# KiCad board Mu-cyberdeck-carrier.kicad_pcb (continued)
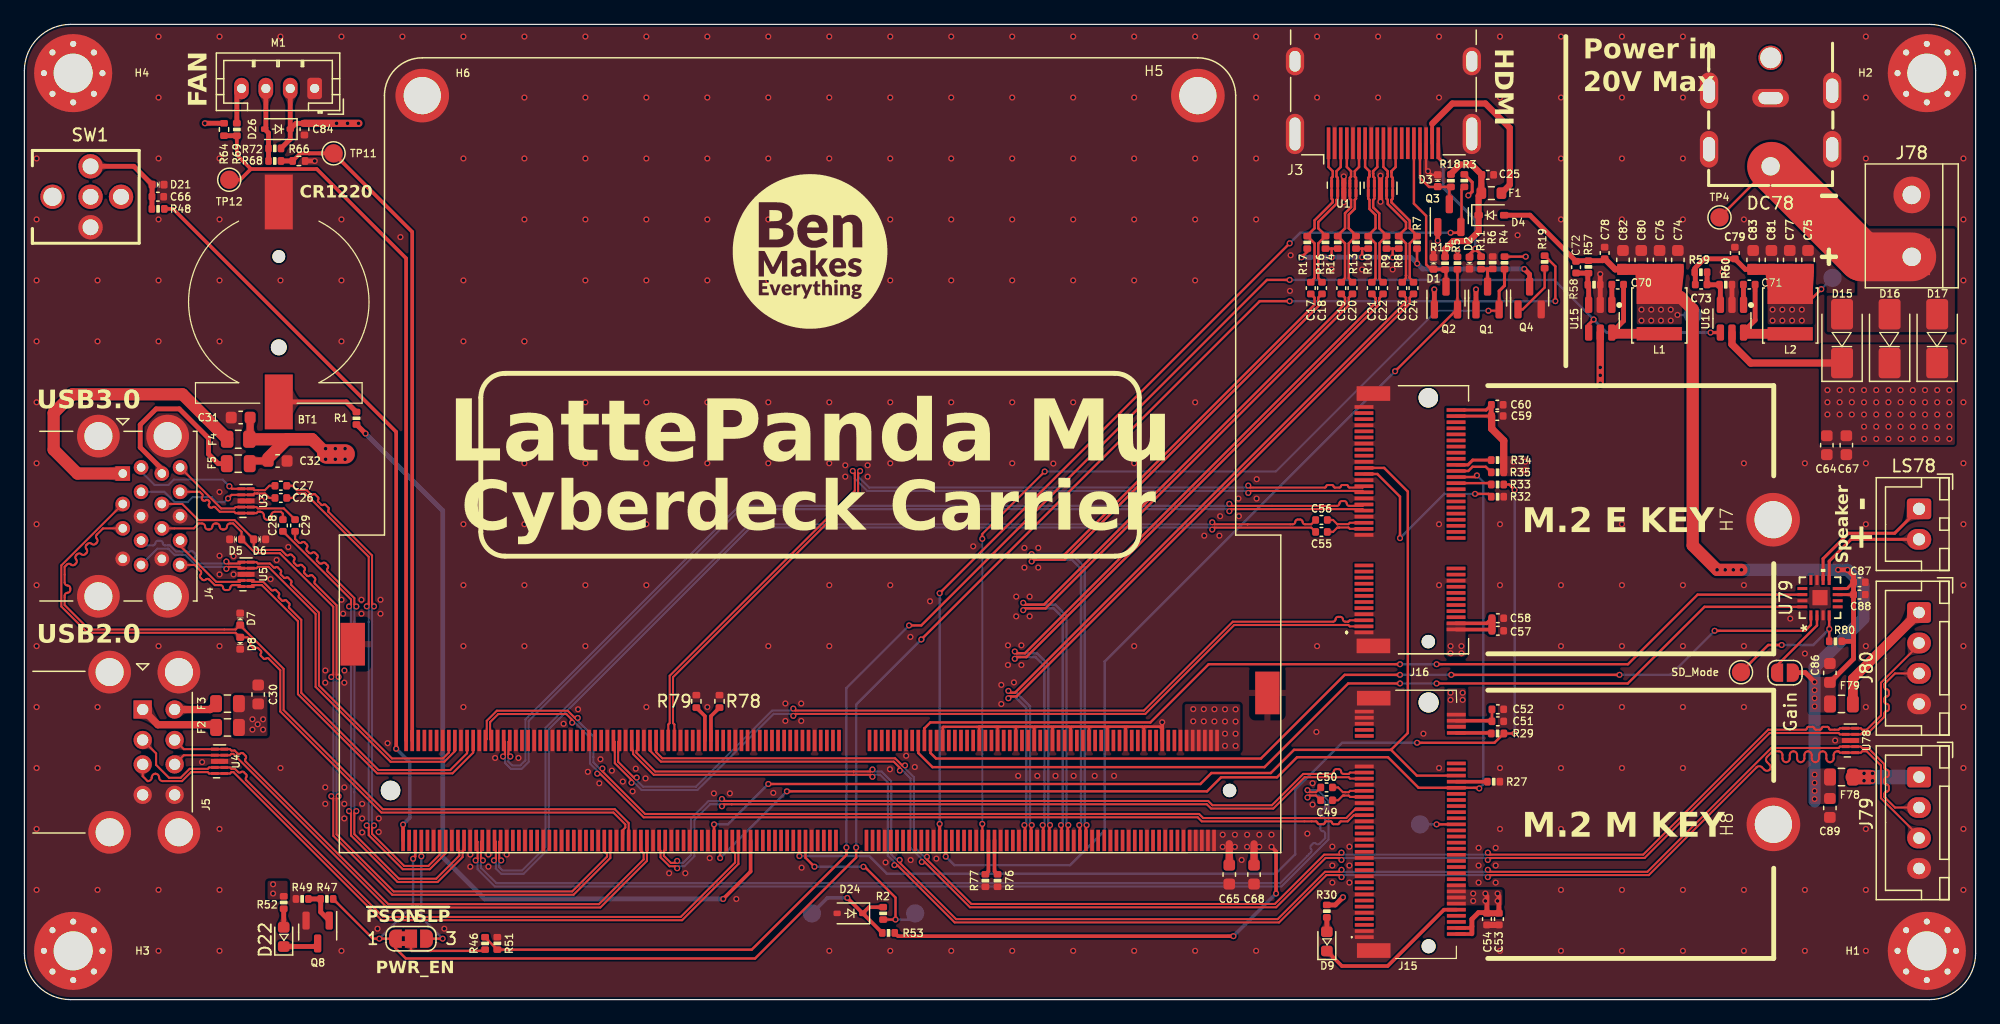
[diagram p0: board, top side]
## Footprints (pads in the part's own frame, mm; a bottom-side part is the same pattern mirrored in y, then rotated) (continued)
  rect 2x3.5 smd: MP(-37.5,-8) MP(37.5,-12)
LED_0603_1608Metric
  rrect 0.875x0.95 smd: 1(-0.788,0) 2(0.788,0)
MountingHole_3.2mm_M3_Pad_Via
  round 0.8 hole 0.5: 1(-2.4,0) 1(-1.697,1.697) 1(-1.697,-1.697) 1(0,2.4) 1(0,-2.4) 1(1.697,1.697) 1(1.697,-1.697) 1(2.4,0)
  round 6.4 hole 3.2: 1(0,0)
MountingHole_3mm_M2_Pad_TopOnly
  round 3.2 hole 3.05: 1(0,0)
  round 4.4 smd: 1(0,0)
PCIe_M.2_Connectors_P=0.5mm_H=4.2mm_KeyE
  round 1.1 hole 1.1 unplated: (-0.75,-5.275)
  round 1.6 hole 1.6 unplated: (19.25,-5.275)
  rect 0.3x1.55 smd: 1(0,0) 2(0.25,-7.55) 3(0.5,0) 4(0.75,-7.55) 5(1,0) 6(1.25,-7.55) 7(1.5,0) 8(1.75,-7.55) 9(2,0) 10(2.25,-7.55) 11(2.5,0) 12(2.75,-7.55) 13(3,0) 14(3.25,-7.55) 15(3.5,0) 16(3.75,-7.55) 17(4,0) 18(4.25,-7.55) 19(4.5,0) 20(4.75,-7.55) 21(5,0) 22(5.25,-7.55) 23(5.5,0) 32(7.75,-7.55) 33(8,0) 34(8.25,-7.55) 35(8.5,0) 36(8.75,-7.55) 37(9,0) 38(9.25,-7.55) 39(9.5,0) 40(9.75,-7.55) 41(10,0) 42(10.25,-7.55) 43(10.5,0) 44(10.75,-7.55) 45(11,0) 46(11.25,-7.55) 47(11.5,0) 48(11.75,-7.55) 49(12,0) 50(12.25,-7.55) 51(12.5,0) 52(12.75,-7.55) 53(13,0) 54(13.25,-7.55) 55(13.5,0) 56(13.75,-7.55) 57(14,0) 58(14.25,-7.55) 59(14.5,0) 60(14.75,-7.55) 61(15,0) 62(15.25,-7.55) 63(15.5,0) 64(15.75,-7.55) 65(16,0) 66(16.25,-7.55) 67(16.5,0) 68(16.75,-7.55) 69(17,0) 70(17.25,-7.55) 71(17.5,0) 72(17.75,-7.55) 73(18,0) 74(18.25,-7.55) 75(18.5,0)
  rect 1.2x2.75 smd: MP1(-1.1,-0.775) MP2(19.6,-0.775)
PCIe_M.2_Connectors_P=0.5mm_H=4.2mm_KeyM
  round 1.15 hole 1.15 unplated: (-10,-1.7)
  round 1.65 hole 1.65 unplated: (10,-1.7)
  rect 0.3x1.55 smd: 1(-9.25,3.575) 2(-9,-3.975) 3(-8.75,3.575) 4(-8.5,-3.975) 5(-8.25,3.575) 6(-8,-3.975) 7(-7.75,3.575) 8(-7.5,-3.975) 9(-7.25,3.575) 10(-7,-3.975) 11(-6.75,3.575) 12(-6.5,-3.975) 13(-6.25,3.575) 14(-6,-3.975) 15(-5.75,3.575) 16(-5.5,-3.975) 17(-5.25,3.575) 18(-5,-3.975) 19(-4.75,3.575) 20(-4.5,-3.975) 21(-4.25,3.575) 22(-4,-3.975) 23(-3.75,3.575) 24(-3.5,-3.975) 25(-3.25,3.575) 26(-3,-3.975) 27(-2.75,3.575) 28(-2.5,-3.975) 29(-2.25,3.575) 30(-2,-3.975) 31(-1.75,3.575) 32(-1.5,-3.975) 33(-1.25,3.575) 34(-1,-3.975) 35(-0.75,3.575) 36(-0.5,-3.975) 37(-0.25,3.575) 38(0,-3.975) 39(0.25,3.575) 40(0.5,-3.975) 41(0.75,3.575) 42(1,-3.975) 43(1.25,3.575) 44(1.5,-3.975) 45(1.75,3.575) 46(2,-3.975) 47(2.25,3.575) 48(2.5,-3.975) 49(2.75,3.575) 50(3,-3.975) 51(3.25,3.575) 52(3.5,-3.975) 53(3.75,3.575) 54(4,-3.975) 55(4.25,3.575) 56(4.5,-3.975) 57(4.75,3.575) 58(5,-3.975) 67(7.25,3.575) 68(7.5,-3.975) 69(7.75,3.575) 70(8,-3.975) 71(8.25,3.575) 72(8.5,-3.975) 73(8.75,3.575) 74(9,-3.975) 75(9.25,3.575)
  rect 1.2x2.75 smd: MP1(-10.35,2.8) MP2(10.35,2.8)
R_0402_1005Metric
  rrect 0.54x0.64 smd: 1(-0.51,0) 2(0.51,0)
R_0603_1608Metric
  rrect 0.8x0.95 smd: 1(-0.825,0) 2(0.825,0)
R_0805_2012Metric
  rrect 1.025x1.4 smd: 1(-0.912,0) 2(0.912,0)
SolderJumper-2_P1.3mm_Open_RoundedPad1.0x1.5mm
  custom 1x0.5 smd: 1(-0.65,0) 2(0.65,0)
SolderJumper-3_P1.3mm_Bridged2Bar12_RoundedPad1.0x1.5mm_NumberLabels
  custom 1x0.5 smd: 1(-1.3,0) 3(1.3,0)
  rect 1x1.5 smd: 2(0,0)
SOT-23
  rrect 1.475x0.6 smd: 1(-0.938,0.95) 2(-0.938,-0.95) 3(0.938,0)
SW-TH_TM-007-D1-A-03
  round 2 hole 1.5: (0,-4.37)
  round 2 hole 1.3: 1(-2.5,-1.25) 2(2.5,-1.25) 3(0,1.25) 4(0,-1.25)
TerminalBlock_bornier-2_P5.08mm
  rect 3x3 hole 1.52: 1(0,0)
  round 3 hole 1.52: 2(5.08,0)
TestPoint_Pad_D1.5mm
  round 1.5 smd: 1(0,0)
TSOT-23-6
  rrect 1.325x0.6 smd: 1(-1.137,0.95) 2(-1.137,0) 3(-1.137,-0.95) 4(1.137,-0.95) 5(1.137,0) 6(1.137,0.95)
USB3_A_Molex_48406-0001_Horizontal_Stacked
  rect 1.2x1.2 hole 0.7: 1(0,0)
  round 1.2 hole 0.7: 2(2.5,0) 3(4.5,0) 4(7,0) 5(7.5,1.5) 6(5.5,1.5) 7(3.5,1.5) 8(1.5,1.5) 9(-0.5,1.5) 10(0,3.2) 11(2.5,3.2) 12(4.5,3.2) 13(7,3.2) 14(7.5,4.7) 15(5.5,4.7) 16(3.5,4.7) 17(1.5,4.7) 18(-0.5,4.7)
  round 3.5 hole 2.3: 19(-3.07,3.68) 19(-3.07,-2) 19(10.07,3.68) 19(10.07,-2)
USB_A_CUI_UJ2-ADH-TH_Horizontal_Stacked
  rect 1.5x1.5 hole 0.92: 1(0,0)
  round 1.5 hole 0.92: 2(0,-2.5) 3(0,-4.5) 4(0,-7) 5(2.62,0) 6(2.62,-2.5) 7(2.62,-4.5) 8(2.62,-7)
  round 3.5 hole 2.3: 9(-2.71,3.07) 9(-2.71,-10.07) 9(2.97,3.07) 9(2.97,-10.07)

## Nets
5V_HDMI_VCC: C25.1 D4.1 F1.1 R15.1 R18.1
+3V3: C51.2 C52.2 C53.2 C54.2 C57.2 C58.2 C59.2 C60.2 C73.1 C75.2 C77.2 C79.1 C81.2 C83.2 J15.2 J15.4 J15.12 J15.14 J15.16 J15.18 J15.70 J15.72 J15.74 J16.2 J16.4 J16.72 J16.74 L2.2 Q1.1 Q2.1 Q3.1 R3.1 R4.1 R5.1 R30.2 R34.2 R35.1 R52.2 R59.2 R64.1 TP6.1
+5V: C30.2 C31.2 C32.2 C72.1 C74.2 C76.2 C78.1 C80.2 C82.2 C84.1 C86.2 C87.1 C88.1 C89.2 D4.2 D26.1 F2.1 F3.1 F4.1 F5.1 F78.1 F79.1 Gain.1 L1.2 M1.2 R57.2 R72.1 R80.1 TP5.1 U79.7 U79.8
+12V: D15.2 D16.2 D17.2 DC78.4 J78.1 TP4.1
GND: A1.11 A1.14 A1.17 A1.20 A1.23 A1.26 A1.29 A1.32 A1.35 A1.38 A1.41 A1.44 A1.47 A1.50 A1.53 A1.56 A1.59 A1.62 A1.65 A1.68 A1.71 A1.74 A1.77 A1.80 A1.83 A1.86 A1.89 A1.92 A1.95 A1.98 A1.101 A1.107 A1.110 A1.113 A1.116 A1.135 A1.136 A1.151 A1.158 A1.167 A1.170 A1.181 A1.182 A1.188 A1.189 A1.194 A1.195 A1.200 A1.201 A1.206 A1.207 A1.212 A1.213 A1.218 A1.219 A1.224 A1.225 A1.230 A1.231 A1.236 A1.237 A1.242 A1.243 A1.248 A1.249 A1.MP BT1.2 C25.2 C30.1 C31.1 C32.1 C51.1 C52.1 C53.1 C54.1 C57.1 C58.1 C59.1 C60.1 C64.1 C65.1 C66.2 C67.1 C68.1 C74.1 C75.1 C76.1 C77.1 C78.2 C79.2 C80.1 C81.1 C82.1 C83.1 C84.2 C86.1 C87.2 C88.2 C89.1 D1.1 D2.1 D3.1 D5.1 D6.1 D7.1 D8.1 D21.1 D24.2 DC78.2 DC78.3 H1.1 H2.1 H3.1 H4.1 H5.1 H6.1 H7.1 H8.1 J3.2 J3.5 J3.8 J3.11 J3.17 J3.SH J4.4 J4.7 J4.13 J4.16 J4.19 J5.4 J5.8 J5.9 J15.1 J15.3 J15.9 J15.15 J15.21 J15.27 J15.33 J15.39 J15.45 J15.51 J15.57 J15.71 J15.73 J15.75 J15.MP1 J15.MP2 J16.1 J16.7 J16.18 J16.33 J16.39 J16.45 J16.51 J16.57 J16.63 J16.69 J16.75 J16.MP1 J16.MP2 J78.2 J79.4 J80.4 M1.1 Q4.2 Q8.2 R6.2 R27.2 R32.2 R49.1 R51.1 R58.1 R60.1 R66.2 R76.2 R77.2 R78.2 R79.2 SW1.2 U1.3 U1.8 U2.3 U2.8 U3.3 U3.8 U4.3 U4.8 U5.3 U5.8 U15.2 U16.2 U78.3 U78.8 U79.3 U79.11 U79.15 U79.17
+BATT: A1.115 R1.1
/Fan_Temp/FAN_1_PWM: A1.2 R64.2 R69.1 TP12.1
/Fan_Temp/FAN_1_TAC: A1.4 R66.1 R68.2 TP11.1
/Gigabit Ethernet/GbE_PCIe_CLK+: A1.94
/Gigabit Ethernet/GbE_PCIe_CLK-: A1.96
/Gigabit Ethernet/GbE_PCIe_RX+: A1.64
/Gigabit Ethernet/GbE_PCIe_RX-: A1.66
/Gigabit Ethernet/GbE_PCIe_TX+: A1.61
/Gigabit Ethernet/GbE_PCIe_TX-: A1.63
/HDMI/DDC_SCL: D1.2 J3.15 Q2.3 R15.2
/HDMI/DDC_SDA: D3.2 J3.16 Q3.3 R18.2
/HDMI/DDI_B_DDC_SCL: A1.171 Q2.2 R5.2
/HDMI/DDI_B_DDC_SDA: A1.169 Q3.2 R3.2
/HDMI/DDI_B_HPD: A1.183 Q1.2 R4.2
/HDMI/DDI_B_TX0+: A1.217 C17.1
/HDMI/DDI_B_TX0-: A1.215 C18.1
/HDMI/DDI_B_TX1+: A1.211 C19.1
/HDMI/DDI_B_TX1-: A1.209 C20.1
/HDMI/DDI_B_TX2+: A1.205 C21.1
/HDMI/DDI_B_TX2-: A1.203 C22.1
/HDMI/DDI_B_TX3+: A1.199 C23.1
/HDMI/DDI_B_TX3-: A1.197 C24.1
/HDMI/HPD: D2.2 J3.19 R11.2
/HDMI/TMDS_CK+: C23.2 J3.10 R8.1 U2.4 U2.7
/HDMI/TMDS_CK-: C24.2 J3.12 R7.1 U2.5 U2.6
/HDMI/TMDS_D0+: C21.2 J3.7 R10.1 U2.1 U2.10
/HDMI/TMDS_D0-: C22.2 J3.9 R9.1 U2.2 U2.9
/HDMI/TMDS_D1+: C19.2 J3.4 R14.1 U1.4 U1.7
/HDMI/TMDS_D1-: C20.2 J3.6 R13.1 U1.5 U1.6
/HDMI/TMDS_D2+: C17.2 J3.1 R17.1 U1.1 U1.10
/HDMI/TMDS_D2-: C18.2 J3.3 R16.1 U1.2 U1.9
/LattePanda Module/HSIO_0_TX+: A1.13 C27.1
/LattePanda Module/HSIO_0_TX-: A1.15 C26.1
/LattePanda Module/HSIO_1_TX+: A1.19 C29.1
/LattePanda Module/HSIO_1_TX-: A1.21 C28.1
/LattePanda Module/HSIO_2_RX+: A1.28 J15.43
/LattePanda Module/HSIO_2_RX-: A1.30 J15.41
/LattePanda Module/HSIO_2_TX+: A1.25 C49.1
/LattePanda Module/HSIO_2_TX-: A1.27 C50.1
/LattePanda Module/HSIO_3_RX+: A1.34 J16.41
/LattePanda Module/HSIO_3_RX-: A1.36 J16.43
/LattePanda Module/HSIO_3_TX+: A1.31 C55.1
/LattePanda Module/HSIO_3_TX-: A1.33 C56.1
/LattePanda Module/REFCLK0+: A1.85 J15.53
/LattePanda Module/REFCLK0-: A1.87 J15.55
/LattePanda Module/REFCLK3+: A1.88 J16.47
/LattePanda Module/REFCLK3-: A1.90 J16.49
/LattePanda Module/SLS_S3: A1.7 JP79.3
/LattePanda Module/SUSCLK_WIFI: A1.131 R29.2 R33.2
/LattePanda Module/USB_2_P7+: A1.70 J16.3
/LattePanda Module/USB_2_P7-: A1.72 J16.5
/LattePanda Module/~{PWR_SW}: A1.1 R48.2
/LattePanda Module/~{RST_SW}: A1.3
/M.2 E&M Key/CON_PCIE_TX_0+: C55.2 J16.35
/M.2 E&M Key/CON_PCIE_TX_0-: C56.2 J16.37
/M.2 E&M Key/CON_PCIE_TX_1+: C49.2 J15.49
/M.2 E&M Key/CON_PCIE_TX_1-: C50.2 J15.47
/M.2 E&M Key/~{CLKREQE}: J16.53 R32.1
/M.2 E&M Key/~{CLKREQM}: J15.52 R27.1
/PSU/PWR_EN: R46.2 R51.2 U15.4 U16.4
/USB2.0&USB3.0/CON_USB1_D_N: A1.109 J5.2 U4.2 U4.9
/USB2.0&USB3.0/CON_USB1_D_P: A1.111 J5.3 U4.1 U4.10
/USB2.0&USB3.0/CON_USB2_D_N: A1.79 J5.6 U4.5 U4.6
/USB2.0&USB3.0/CON_USB2_D_P: A1.81 J5.7 U4.4 U4.7
/USB2.0&USB3.0/CON_USB3_D_N: A1.73 D8.2 J4.2
/USB2.0&USB3.0/CON_USB3_D_P: A1.75 D7.2 J4.3
/USB2.0&USB3.0/CON_USB3_SSRX_N: A1.18 J4.5 U5.4 U5.7
/USB2.0&USB3.0/CON_USB3_SSRX_P: A1.16 J4.6 U5.5 U5.6
/USB2.0&USB3.0/CON_USB3_SSTX_N: C26.2 J4.8 U3.4 U3.7
/USB2.0&USB3.0/CON_USB3_SSTX_P: C27.2 J4.9 U3.5 U3.6
/USB2.0&USB3.0/CON_USB4_D_N: A1.67 D6.2 J4.11
/USB2.0&USB3.0/CON_USB4_D_P: A1.69 D5.2 J4.12
/USB2.0&USB3.0/CON_USB4_SSRX_N: A1.24 J4.14 U5.1 U5.10
/USB2.0&USB3.0/CON_USB4_SSRX_P: A1.22 J4.15 U5.2 U5.9
/USB2.0&USB3.0/CON_USB4_SSTX_N: C28.2 J4.17 U3.1 U3.10
/USB2.0&USB3.0/CON_USB4_SSTX_P: C29.2 J4.18 U3.2 U3.9
/~{PLT_RST}: A1.105 J15.50 J16.52
/~{PWR_LED}/~{PSON}: A1.5 JP79.1 R19.1 R47.1
/~{WAKE}: A1.103 J15.54 J16.55
Audio_Data: A1.166 U79.1
BCLK: A1.162 U79.16
LRCLK: A1.164 U79.14
PWR: C66.1 D21.2 R48.1 SW1.1
USB_2_FP1+: A1.76 J79.3 U78.1 U78.10
USB_2_FP1-: A1.78 J79.2 U78.2 U78.9
USB_2_FP2+: A1.82 J80.3 U78.4 U78.7
USB_2_FP2-: A1.84 J80.2 U78.5 U78.6
VDC: A1.250 A1.251 A1.252 A1.253 A1.254 A1.255 A1.256 A1.257 A1.258 A1.259 A1.260 C64.2 C65.2 C67.2 C68.2 D15.1 D16.1 D17.1 R53.1 U15.5 U16.5
VPullup: D24.1 R2.2 R53.2 TP13.1
Net-(A1-TCP0_HPD): A1.187 R76.1
Net-(A1-TCP1_HPD): A1.185 R77.1
Net-(A1-~{BIOS_SEL}): A1.133 R2.1 TP7.1
Net-(A1-~{CLKREQ3}): A1.100 R79.1
Net-(A1-~{CLKREQ4}): A1.102 R78.1
Net-(BT1-+): BT1.1 R1.2
Net-(D9-A): D9.2 R30.1
Net-(D9-K): D9.1 J15.10
Net-(D22-A): D22.2 R52.1
Net-(D22-K): D22.1 Q8.3
Net-(D26-A): D26.2 M1.3 R68.1 R72.2
Net-(J3-+5V): F1.2 J3.18
Net-(J4A-VBUS1): F4.2 J4.1
Net-(J4B-VBUS2): F5.2 J4.10
Net-(J5-VBUS1): F2.2 J5.1
Net-(J5-VBUS2): F3.2 J5.5
Net-(J15-DEVSLP): J15.38 TP2.1
Net-(J15-PEDET): J15.69
Net-(J15-SUSCLK): J15.68 R29.1
Net-(J16-SUSCLK): J16.50 R33.1
Net-(J16-~{W_DISABLE1}): J16.56 R34.1
Net-(J16-~{W_DISABLE2}): J16.54 R35.2
Net-(J79-Pin_1): F78.2 J79.1
Net-(J80-Pin_1): F79.2 J80.1
Net-(JP78-B): Gain.2 U79.2
Net-(JP79-C): JP79.2 R46.1
Net-(M1-PWM): M1.4 R69.2
Net-(Q1-D): Q1.3 R6.1 R11.1
Net-(Q4-D): Q4.3 R7.2 R8.2 R9.2 R10.2 R13.2 R14.2 R16.2 R17.2
Net-(Q4-G): Q4.1 R19.2
Net-(Q8-G): Q8.1 R47.2 R49.2
Net-(U15-BOOST): C70.2 U15.1
Net-(U15-FB): C72.2 R57.1 R58.2 U15.3
Net-(U15-SW): C70.1 L1.1 U15.6
Net-(U16-BOOST): C71.2 U16.1
Net-(U16-FB): C73.2 R59.1 R60.2 U16.3
Net-(U16-SW): C71.1 L2.1 U16.6
Net-(U79-*SD_MODE): R80.2 SD_Mode.1 U79.4
Net-(U79-OUTN): LS78.1 U79.10
Net-(U79-OUTP): LS78.2 U79.9

Pads without a net: A1 6 8 9 10 12 37 39 40 42 43 45 46 48 49 51 52 54 55 57 58 60 91 93 97 99 104 106 108 112 114 117 118 119 120 121 122 123 124 125 126 127 128 129 130 132 134 137 138 139 140 141 142 143 144 145 146 147 148 149 150 152 153 154 155 156 157 159 160 161 163 165 168 172 173 174 175 176 177 178 179 180 184 186 190 191 192 193 196 198 202 204 208 210 214 216 220 221 222 223 226 227 228 229 232 233 234 235 238 239 240 241 244 245 246 247; J3 13 14; J15 5 6 7 8 11 13 17 19 20 22 23 24 25 26 28 29 30 31 32 34 35 36 37 40 42 44 46 48 56 58 67; J16 6 8 9 10 11 12 13 14 15 16 17 19 20 21 22 23 32 34 36 38 40 42 44 46 48 58 59 60 61 62 64 65 66 67 68 70 71 73; SW1 3 4; U79 5 6 12 13

## Via types
v1: diameter 0.5, hole 0.3, Top to Bottom, 681 vias

## Routing (per net, layer and track width the routed paths; a pad name or vN(x,y) marks a point on that pad's centre or on a via; arc(x,y) is an arc through that point)
5V_HDMI_VCC: length 12
  Top w0.508: R18.1 116.98,67.75 117.73,68.51 118.67,68.51 C25.1 119.47,67.61 F1.1 119.25,65.93 D4.1 119.25,63.01 118.47,62.23 117.17,62.23 116.5,61.56 R15.1
+3V3: length 379.8
  Top w0.2: L2.2 146.68,57.62 v1(147.35,58.28) ; R59.2 136.96,59.99 ; R4.1 123.11,60.95 v1(123.11,60.95) ; C51.2 C52.2 ; R5.1 v1(117.51,61.44)
  Top w0.25: J16.72 120.29,47.87 ; v1(118.4,65.97) 118.72,66.29 118.72,67.05 R3.1 118.06,67.69 ; C60.2 119.87,48.37 118.1,48.37
  Top w0.3: J15.4 118.57,5.88 118.7,6 ; 120.24,22.83 120.19,22.88 J15.72 ; 118.7,5.4 118.67,5.38 J15.2 ; 120.24,30.36 117.41,30.36 ; C58.2 119.92,30.87 J16.4
  Top w0.4: C53.2 120.91,8.51 ; 118.7,5.4 118.7,6.6 119.23,7.13 119.93,7.13 ; Q1.1 v1(119.03,58.26) ; 136.96,59.99 137.74,60.77 C79.1 141.12,59.9 C83.2 ; C54.2 119.93,8.49 ; R30.2 107.49,7.77 v1(108.12,8.4) ; v1(115.61,58.26) 115.62,58.25 Q2.1 ; 120.28,47.88 120.28,48.8 ; R64.1 v1(14.8,71.89) ; 115.9,63.23 v1(115.9,62.26) ; C73.1 137.01,59.62
  Top w0.5: 120.91,7.09 119.99,7.09
  Top w0.6: R35.1 121.31,45.85 120.32,46.84 120.32,47.88 ; C57.2 C58.2
  Top w0.8: C83.2 C81.2 C77.2 C75.2
  In2.PWR w0.4: v1(118.4,65.97) 115.9,63.46 v1(115.9,62.26) 116.72,61.44 v1(117.51,61.44) 118.25,60.69 122.86,60.69 v1(123.11,60.95)
  In2.PWR w0.55: 131.61,44.26 131.13,43.78
  In2.PWR w0.6: 20.39,6.2 16.29,10.31 5.75,10.31 2.8,13.26 2.8,57.26 14.8,69.26 v1(14.8,71.89) ; 125.8,58.26 v1(115.61,58.26) ; 125.8,58.26 141.99,58.26 143.55,56.7 ; 125.8,58.26 v1(123.11,60.95)
  In2.PWR w1: v1(20.39,9.46) 20.39,6.2 23.7,2.9 102.63,2.9 v1(108.12,8.4)
  In2.PWR w1.4: 131.13,43.78 122.15,43.78 ; 123.8,30.26 122.26,28.72 116.8,28.72 ; v1(108.12,8.4) 121.37,8.4 123.8,10.83 123.8,27.26 121.42,24.88 117.02,24.88
  In2.PWR w2: 143.55,56.2 123.8,36.45 123.8,27.26 ; 145.75,56.25 143.35,56.25
  Bottom w0.2: v1(147.35,58.28) TP6.1
  vias: v1(20.39,8.7) v1(116.95,29) v1(116.95,28.41) v1(116.95,25.17) v1(116.95,24.59) v1(117.84,29) v1(117.84,28.41) v1(117.94,25.17) v1(117.94,24.59) v1(118.8,8.7) v1(118.8,8.09) v1(119.8,8.7) v1(119.8,8.09) v1(120.8,8.7) v1(120.8,8.09) v1(122.09,44.13) v1(122.09,43.44) v1(123.08,44.13) v1(123.08,43.44) v1(143.35,56.6) v1(143.35,55.7) v1(144.15,56.6) v1(144.15,55.7) v1(144.95,56.6) v1(144.95,55.7) v1(145.75,56.6) v1(145.75,55.7)
+5V: length 300.1
  Top w0.25: U79.8 149.47,33.72 C87.1 ; U79.7 C88.1
  Top w0.4: C86.2 149.99,27.96 149.99,29.39 ; D4.2 123.45,64.35 C72.1 ; v1(148.72,35.26) v1(149.5,35.26) 149.99,34.76 C87.1 C88.1 149.99,29.4 149.99,29.39 ; v1(146.8,26.06) 146.04,26.82 Gain.1 ; 149.99,29.39 R80.1 ; M1.2 D26.1 ; D26.1 22.27,71.88 C84.1 ; D26.1 21.8,70.59 R72.1 ; C78.1 129.43,60.61 R57.2 127.29,60.61
  Top w0.5: C82.2 130.45,59.9 C78.1
  Top w0.6: C84.1 27.42,71.88 ; 18.8,44.19 C32.2 ; 18.51,46.03 C31.2
  Top w0.8: C74.2 C76.2 C80.2 C82.2
  Top w1: 24.8,44.76 23.59,45.97 ; 23.59,45.97 21.53,45.97 19.99,44.43 ; 23.59,45.97 18.5,45.97 ; L1.2 135.8,57.62 136.8,56.62 136.8,37.26 v1(138.8,35.26) v1(140.8,35.26)
  Top w1.6: 24.8,44.76 26.3,44.76
  In2.PWR w0.55: 132.54,55.7 135.04,55.7 ; 132.54,56.2 135.04,56.2 ; 135.04,56.7 132.54,56.7
  In2.PWR w1: 44.91,53.76 26.8,71.87 ; v1(25.6,71.88) v1(27.4,71.88)
  In2.PWR w1.6: 18.68,22.59 20.13,22.59 21.8,24.26 21.8,30.64 35.91,44.76 ; 35.91,44.76 44.91,53.76 ; 35.91,44.76 24.8,44.76
  In2.PWR w2: 44.91,53.76 128.86,53.76 131.3,56.2 135.04,56.2
  Bottom w0.2: v1(135.55,56.17) TP5.1
  Bottom w1: v1(138.8,35.26) v1(149.5,35.26) 150.8,33.96 150.8,31.26 146.8,27.26 146.8,16.26
  vias: v1(18.7,23) v1(18.7,22.15) v1(19.13,22.59) v1(19.57,23) v1(19.57,22.15) v1(24.7,45.2) v1(24.7,44.32) v1(25.5,45.2) v1(25.5,44.32) v1(26.3,45.2) v1(26.3,44.32) v1(26.5,71.88) v1(132.6,56.6) v1(132.6,55.7) v1(133.4,56.6) v1(133.4,55.7) v1(134.2,56.6) v1(134.2,55.7) v1(135,56.6) v1(135,55.7) v1(139.47,35.26) v1(140.13,35.26) v1(146.8,25.39) v1(146.8,24.72) v1(146.8,24.06) v1(146.8,18.46) v1(146.8,17.79) v1(146.8,17.12) v1(146.8,16.46)
+12V: length 20.5
  Top w0.2: TP4.1 DC78.4
  Top w4: 143.27,68.36 150.69,60.93 J78.1
GND: length 71
  Top w0.2: 78.3,22.33 78.35,22.38 ; 78.3,22.33 A1.182 ; 78.3,22.33 78.25,22.38 ; 78.35,22.38 78.25,22.38 ; 78.35,22.38 79.75,22.38 79.8,22.33 ; 78.35,22.38 93.1,22.38 ; 93.1,22.38 91.85,22.38 91.8,22.33 A1.236 91.8,22.26 91.68,22.38 90.4,22.38 90.3,22.28 A1.230 90.3,22.33 90.25,22.38 88.85,22.38 88.8,22.33 A1.224 88.8,22.26 88.68,22.38 87.35,22.38 87.3,22.33 ; 93.1,22.38 93.3,22.18 A1.242 ; 87.3,22.33 87.25,22.38 85.85,22.38 85.8,22.33 A1.212 85.8,22.26 85.68,22.38 84.4,22.38 84.3,22.28 A1.206 84.3,22.33 84.25,22.38 82.85,22.38 82.8,22.33 A1.200 82.8,22.26 82.68,22.38 81.35,22.38 81.3,22.33 ; 87.3,22.33 A1.218 ; D3.1 115.39,67.66 v1(115.1,67.96) 114.94,68.11 J3.17 ; A1.194 81.3,22.33 ; 81.3,22.33 81.25,22.38 79.85,22.38 79.8,22.33 ; 78.25,22.38 75.35,22.38 75.3,22.33 A1.170 ; 79.8,22.33 A1.188
  Top w0.3: A1.242 v1(93.3,22.76)
  Top w0.4: v1(108.19,65.42) U1.3 U1.8 v1(108.19,67.53) ; v1(115.55,61.57) D1.1 ; U5.3 U5.8 ; U15.2 R58.1 v1(129.22,59.52) ; U3.8 U3.3 ; v1(23.81,68.8) R66.2 ; 140.02,58.64 U16.2 ; U78.8 U78.3 ; v1(111.2,67.59) U2.8 v1(111.2,65.45) ; U4.3 U4.8
  Top w0.5: 119.99,6.13 120.91,6.13
  vias: v1(1,69) v1(1,64) v1(1,59) v1(1,54) v1(1,49) v1(1,44) v1(1,39) v1(1,34) v1(1,29) v1(1,24) v1(1,19) v1(1,14) v1(1,9) v1(6,59) v1(6,54) v1(6,24) v1(6,19) v1(6,9) v1(11,79) v1(11,74) v1(11,69) v1(11,64) v1(11,59) v1(11,54) v1(11,29) v1(11,9) v1(11,4) v1(14.57,19.49) v1(16,79) v1(16,69) v1(16,64) v1(16,59) v1(16,54) v1(16,41.64) v1(16,36.41) v1(16,34.88) v1(16,29) v1(16,14) v1(16,9) v1(16,4) v1(17.15,36.37) v1(17.15,34.88) v1(19.46,40.92) v1(20.19,34.49) v1(20.69,36.06) v1(21,79) v1(21,59) v1(21,19) v1(21.64,37.13) v1(24.68,27) v1(24.67,26) v1(24.67,17.42) v1(24.67,16.06) v1(26,79) v1(26,64) v1(26,59) v1(26,54) v1(26,32.8) v1(26,4) v1(26.14,31.66) v1(26.24,27) v1(26.23,26) v1(26.23,17.41) v1(26.23,16.06) v1(26.23,14.86) v1(27.64,32.8) v1(27.64,31.66) v1(27.7,16.06) v1(27.7,14.86) v1(27.7,13.71) v1(28.95,5.82) v1(29.06,14.86) v1(29.06,13.75) v1(29.2,32.8) v1(29.2,31.66) v1(29.78,21.04) v1(30.83,62.55) v1(31,79) v1(34.43,5.82) v1(36,79) v1(36,69) v1(36,59) v1(36,54) v1(36,49) v1(36,39) v1(36,34) v1(36,29) v1(36,24) v1(36.56,11.9) v1(36.56,10.9) v1(38.05,11.91) v1(38.05,10.91) v1(38.6,19.82) v1(39.55,11.91) v1(40.51,19.82) v1(41,79) v1(41,74) v1(41,69) v1(41,64) v1(41,54) v1(41,54) v1(41,44) v1(41,39) v1(41,34) v1(41,29) v1(44.21,22.63) v1(45.4,23.82) v1(46,79) v1(46,74) v1(46,69) v1(46,64) v1(46,59) v1(46,49) v1(46,44) v1(46,39) v1(46,34) v1(46,29) v1(46.2,18.69) v1(47.14,17.75) v1(47.24,19.72) v1(48.17,18.78) v1(49.07,17.89) v1(49.87,17.08) v1(50.13,18.95) v1(50.93,18.14) v1(51,79) v1(51,74) v1(51,69) v1(51,64) v1(51,59) v1(51,49) v1(51,44) v1(51,39) v1(51,34) v1(51,24) v1(52.87,10.37) v1(54.2,10.37) v1(56,79) v1(56,74) v1(56,69) v1(56,64) v1(56,59) v1(56,49) v1(56,44) v1(56,39) v1(56,24) v1(56.2,11.61) v1(56.54,16.92) v1(57.85,16.92) v1(58.38,8.26) v1(61,79) v1(61,74) v1(61,69) v1(61,64) v1(61,59) v1(61,49) v1(61,44) v1(61,29) v1(61.41,16.96) v1(62.4,24.29) v1(62.4,22.86) v1(63.7,24.29) v1(63.7,22.86) v1(63.73,10.82) v1(66,79) v1(66,74) v1(66,69) v1(66,64) v1(66,59) v1(66,49) v1(66,44) v1(66,34) v1(66,29) v1(66,4) v1(67.31,43.84) v1(67.31,42.9) v1(69.14,43.84) v1(69.14,42.9) v1(70.62,11.26) v1(71,79) v1(71,74) v1(71,69) v1(71,64) v1(71,59) v1(71,49) v1(71,44) v1(71,34) v1(70.97,18.9) v1(71,4) v1(72.31,20) v1(72.65,29.75) v1(72.67,11.45) v1(73.02,19.08) v1(74.26,32.68) v1(74.78,11.57) v1(76,79) v1(76,74) v1(76,69) v1(76,64) v1(76,59) v1(76,49) v1(76,44) v1(76,4) v1(77.8,37.18) v1(80.1,25.82) v1(80.1,24.25) v1(80.65,29.06) v1(80.65,27.45) v1(81,79) v1(81,74) v1(81,69) v1(81,64) v1(81,59) v1(81,49) v1(81,44) v1(81,4) v1(81.14,26.02) v1(81.33,33.06) v1(81.33,31.44) v1(81.49,18.35) v1(81.75,29.06) v1(81.75,27.45) v1(82,37.06) v1(82,35.44) v1(82.43,33.06) v1(82.43,31.44) v1(83.13,37.06) v1(83.13,35.44) v1(83.06,18.35) v1(84.37,43.97) v1(84.55,18.35) v1(86,79) v1(86,74) v1(86,69) v1(86,64) v1(86,59) v1(86,49) v1(86.04,18.35) v1(86,4) v1(87.76,18.35) v1(89.35,18.35) v1(91,79) v1(91,74) v1(91,69) v1(91,64) v1(91,59) v1(91,44) v1(91,29) v1(91,4) v1(96,79) v1(96,69) v1(96,64) v1(96,59) v1(96,49) v1(96,4) v1(96.75,38.06) v1(98.05,39.66) v1(97.99,38.06) v1(99.55,41.1) v1(99.59,39.66) v1(99.81,11.45) v1(101,79) v1(101,74) v1(101,69) v1(101,64) v1(101.04,41.1) v1(101,4) v1(101.05,42.69) v1(103.83,61.06) v1(103.78,58.13) v1(105.2,13.61) v1(105.63,17.76) v1(105.63,16) v1(105.94,21.96) v1(106,79) v1(106,74) v1(106,29) v1(107.2,59.89) v1(107.25,12.55) v1(107.25,11) v1(107.25,9.6) v1(108.65,12.55) v1(108.65,11) v1(108.65,9.6) v1(109.69,59.89) v1(111,79) v1(111,74) v1(112.2,59.89) v1(114.72,21.81) v1(116,79) v1(116,74) v1(116,39) v1(116,34) v1(116,19) v1(119.25,12.45) v1(119.25,11) v1(119.25,9.6) v1(120.65,12.45) v1(120.65,11) v1(120.65,9.6) v1(121,79) v1(121,74) v1(121,39) v1(121,34) v1(121,19) v1(121,14) v1(121,4) v1(122.44,62.71) v1(126,79) v1(126,74) v1(126,69) v1(126,64) v1(126,34) v1(126,29) v1(126,24) v1(126,19) v1(126,14) v1(126,9) v1(126,4) v1(131,79) v1(131,74) v1(131,69) v1(131,64) v1(131,39) v1(131,34) v1(131,29) v1(131,24) v1(131,19) v1(131,14) v1(131,9) v1(131,4) v1(136,79) v1(136,74) v1(136,69) v1(136,64) v1(136,34) v1(136,29) v1(136,24) v1(136,19) v1(136,9) v1(136,4) v1(139.26,59.68) v1(141,64) v1(141,44) v1(141,34) v1(141,29) v1(141,24) v1(141,9) v1(141,4) v1(144.8,31.26) v1(146,44) v1(146,28.39) v1(146,9) v1(146,4) v1(148.48,21.26) v1(151,79) v1(151,74) v1(151,69) v1(151,44) v1(151,39) v1(151,29) v1(151,24) v1(151,14) v1(151,9) v1(151,4) v1(159,69) v1(159,64) v1(159,59) v1(159,54) v1(159,49) v1(159,44) v1(159,39) v1(159,34) v1(159,29) v1(159,24) v1(159,19) v1(159,14) v1(159,9)
+BATT: length 68.6
  Top w0.3: A1.115 59.55,10.51 v1(57.3,8.26)
  Top w0.4: v1(27.98,46.43) R1.1
  Bottom w0.4: v1(57.3,8.26) 37.74,8.26 34.3,11.7 34.3,40.11 v1(27.98,46.43)
/Fan_Temp/FAN_1_PWM: length 61.6
  Top w0.3: 18.58,68.14 17.42,69.29 R69.1 ; 18.58,68.14 17.7,67.26 TP12.1 ; 18.58,68.14 23.97,68.14 31.3,60.81 A1.2
  Top w0.4: R69.1 16.47,70.87
/Fan_Temp/FAN_1_TAC: length 57.3
  Top w0.3: 23.34,69.42 23.34,69.42 TP11.1 ; 23.34,69.42 22.62,69.42 R66.1 ; 23.34,69.42 25.36,69.42 31.8,62.98 A1.4
  Top w0.4: 21.14,68.8 R66.1
/HDMI/DDC_SCL: length 13.4
  Top w0.2: J3.15 113.94,65.3 114.95,64.29 114.95,60.3 115.32,59.93
  Top w0.25: Q2.3 116.57,59.63 116.29,59.91 115.34,59.91 115.32,59.93
/HDMI/DDC_SDA: length 7.1
  Top w0.205: J3.16 114.44,67.41 115.19,66.67 R18.2 ; 116.85,65.1 116.85,66.54
/HDMI/DDI_B_DDC_SCL: length 73.9
  Top w0.2: v1(112.4,51.55) 117.46,56.61 Q2.2
  Top w0.209: R5.2 117.51,56.62
  Top w0.25: A1.171 v1(75.55,11.74)
  Bottom w0.2: v1(112.4,51.55) 88.58,27.73 88.58,13.86 85.75,11.03 76.25,11.03 v1(75.55,11.74)
/HDMI/DDI_B_DDC_SDA: length 78.8
  Top w0.2: 117.8,63.23 117.47,62.91 v1(116.95,62.91) ; v1(75.05,33.34) v1(103.76,62.04)
  Top w0.205: R3.2 117.85,66.44 117.85,63.42
  Top w0.25: v1(75.05,14.41) A1.169
  Bottom w0.2: v1(75.05,33.34) v1(75.05,14.41) ; v1(103.76,62.04) 104.62,62.91 v1(116.95,62.91)
/HDMI/DDI_B_HPD: length 78.7
  Top w0.17: A1.183 78.55,14.28 78.55,14.28 78.55,14.18 ; v1(120.05,56.51) 120.82,56.51 ; v1(78.55,37.8) 78.55,38.2 v1(83.67,43.32)
  Top w0.25: R4.2 121.37,58.57 120.93,58.13 Q1.2
  Bottom w0.17: v1(83.67,43.32) 102.61,43.32 115.8,56.51 v1(120.05,56.51) ; v1(78.55,37.8) 78.55,14.18
  vias: v1(78.55,14.41)
/HDMI/DDI_B_TX0+: length 60.1
  Top w0.205: v1(87.1,14.32) 87.05,14.27 A1.217 ; C17.1 105.79,57.58 105.79,57.01 85.18,36.4 82.74,36.4 v1(82.59,36.55)
  Bottom w0.205: v1(87.1,14.32) 86.95,14.46 86.95,35.47 86.03,36.4 82.74,36.4 v1(82.59,36.55)
/HDMI/DDI_B_TX0-: length 60.1
  Top w0.205: C18.1 106.1,57.58 106.1,56.88 85.31,36.09 82.74,36.09 v1(82.59,35.94) ; A1.215 86.55,14.27 v1(86.5,14.32)
  Bottom w0.205: v1(86.5,14.32) 86.65,14.46 86.65,35.35 85.9,36.09 82.74,36.09 v1(82.59,35.94)
/HDMI/DDI_B_TX1+: length 60.1
  Top w0.205: v1(81.9,32.55) 82.05,32.4 83.61,32.4 108.29,57.08 108.29,57.58 C19.1 ; v1(85.6,14.32) 85.55,14.27 A1.211
  Bottom w0.205: v1(85.6,14.32) 85.45,14.46 85.45,31.48 84.53,32.4 82.05,32.4 v1(81.9,32.55)
/HDMI/DDI_B_TX1-: length 60.1
  Top w0.205: C20.1 108.6,57.58 108.6,56.96 83.74,32.09 82.05,32.09 v1(81.9,31.95) ; v1(85,14.32) 85.05,14.27 A1.209
  Bottom w0.205: v1(85,14.32) 85.15,14.46 85.15,31.35 84.4,32.09 82.05,32.09 v1(81.9,31.95)
/HDMI/DDI_B_TX2+: length 60.1
  Top w0.205: v1(81.21,28.56) 81.36,28.41 82.04,28.41 110.8,57.17 110.8,57.55 110.49,57.86 C21.1 ; A1.205 84.05,14.27 v1(84.1,14.32)
  Bottom w0.205: v1(81.21,28.56) 81.36,28.41 83.03,28.41 83.95,27.49 83.95,14.46 v1(84.1,14.32)
/HDMI/DDI_B_TX2-: length 60.1
  Top w0.205: v1(83.5,14.32) 83.55,14.27 A1.203 ; C22.1 111.41,57.86 111.11,57.55 111.11,57.04 82.17,28.11 81.36,28.11 v1(81.21,27.96)
  Bottom w0.205: v1(83.5,14.32) 83.65,14.46 83.65,27.36 82.91,28.11 81.36,28.11 v1(81.21,27.96)
/HDMI/DDI_B_TX3+: length 60.3
  Top w0.205: v1(82.6,14.32) 82.55,14.27 A1.199 ; C23.1 113.29,57.58 113.29,57.23 81.23,25.18 80.83,25.18 v1(80.68,25.32)
  Bottom w0.205: v1(80.68,25.32) 80.83,25.18 81.33,25.18 82.45,24.06 82.45,14.46 v1(82.6,14.32) ; 80.73,25.18 80.58,25.32
/HDMI/DDI_B_TX3-: length 60.5
  Top w0.205: C24.1 113.6,57.58 113.6,57.11 81.36,24.87 80.83,24.87 v1(80.68,24.72) ; v1(82,14.32) 82.05,14.27 A1.197 ; 80.73,24.87 80.58,24.72
  Bottom w0.205: v1(82,14.32) 82.15,14.46 82.15,23.93 81.21,24.87 80.83,24.87 v1(80.68,24.72) ; 80.73,24.87 80.58,24.72
/HDMI/HPD: length 11.7
  Top w0.25: R11.2 119.45,61.12 v1(118.97,61.6) 118.5,61.13 D2.2 ; J3.19 115.94,69.06 v1(116.35,68.66)
  Bottom w0.25: v1(116.35,68.66) 116.35,66.59 118.97,63.97 v1(118.97,61.6)
/HDMI/TMDS_CK+: length 12.8
  Top w0.205: 112.98,58.88 113.29,59.18 113.29,59.4 113.29,59.4 113.29,62.03 R8.1 ; 112.7,62.68 113.29,63.27 113.29,63.77 111.8,65.27 111.8,65.61 111.7,65.7 111.7,67.42 111.8,67.51 111.8,67.74 111.79,67.75 111.79,67.96 111.44,68.3 J3.10
/HDMI/TMDS_CK-: length 12.8
  Top w0.205: 113.9,58.88 113.6,59.18 113.6,59.28 113.6,59.28 113.6,62.03 R7.1 ; J3.12 112.44,68.3 112.09,67.96 112.09,67.86 112.1,67.85 112.1,67.51 112.2,67.42 112.2,65.7 112.1,65.61 112.1,65.39 113.6,63.9 113.6,63.27 114.2,62.68
/HDMI/TMDS_D0+: length 12.4
  Top w0.205: 110.2,62.68 110.79,63.27 110.79,64.37 110.3,64.86 110.3,65.61 110.2,65.7 110.2,67.42 110.3,67.51 110.3,67.65 110.29,67.66 110.29,67.96 109.94,68.3 J3.7 ; C21.2 110.79,59.15 110.79,62.03 R10.1
/HDMI/TMDS_D0-: length 12.4
  Top w0.205: C22.2 111.12,59.14 111.12,62.05 R9.1 ; J3.9 110.94,68.3 110.59,67.96 110.59,67.78 110.6,67.77 110.6,67.51 110.7,67.42 110.7,65.7 110.6,65.61 110.6,64.99 111.1,64.49 111.1,63.27 111.7,62.68
/HDMI/TMDS_D1+: length 12.4
  Top w0.205: J3.4 108.44,68.3 108.79,67.96 108.79,67.51 108.69,67.42 U1.7 U1.4 108.69,65.7 108.79,65.61 108.79,65.01 108.29,64.51 108.29,63.27 107.7,62.68 ; R14.1 108.29,62.03 108.29,59.18 107.99,58.88
/HDMI/TMDS_D1-: length 12.4
  Top w0.205: 108.91,58.88 108.6,59.18 108.6,62.03 R13.1 ; 109.2,62.68 108.6,63.27 108.6,64.38 109.09,64.88 109.09,65.61 109.19,65.7 109.19,67.42 109.09,67.51 109.09,67.96 109.44,68.3 J3.6
/HDMI/TMDS_D2+: length 12.8
  Top w0.205: 105.49,58.88 105.79,59.18 105.79,62.03 R17.1 ; 105.2,62.68 105.79,63.27 105.79,63.92 107.29,65.41 107.29,65.61 107.19,65.7 107.19,67.42 107.29,67.51 107.29,67.96 106.94,68.3 J3.1
/HDMI/TMDS_D2-: length 12.8
  Top w0.205: J3.3 107.94,68.3 107.59,67.96 107.59,67.51 107.69,67.42 U1.9 U1.2 107.69,65.7 107.59,65.61 107.59,65.29 106.1,63.79 106.1,63.27 106.7,62.68 ; R16.1 106.1,62.03 106.1,59.18 106.41,58.88
/LattePanda Module/HSIO_0_TX+: length 41.2
  Top w0.17: v1(28.67,14.29) 28.51,14.12 28.51,13.6 31.14,10.97 33.13,10.97 34.05,11.89 A1.13 ; C27.1 21.98,42.15 22.34,41.79 23.15,41.79 23.5,41.44 arc(23.58,41.41) 23.67,41.44 arc(23.75,41.48) 23.83,41.44 24.09,41.19 arc(24.12,41.11) 24.09,41.02 arc(24.05,40.94) 24.09,40.85 24.35,40.6 arc(24.43,40.56) 24.51,40.6 arc(24.6,40.63) 24.68,40.6 24.94,40.34 arc(24.97,40.26) 24.94,40.17 arc(24.9,40.09) 24.94,40 28.51,36.43 28.51,32.43 v1(28.67,32.26)
  Bottom w0.17: v1(28.67,32.26) 28.51,32.1 28.51,30.77 28.51,14.45 v1(28.67,14.29)
